# Altium PCB Van Battery Controller V1.PcbDoc (part 1 of 3) (continued)
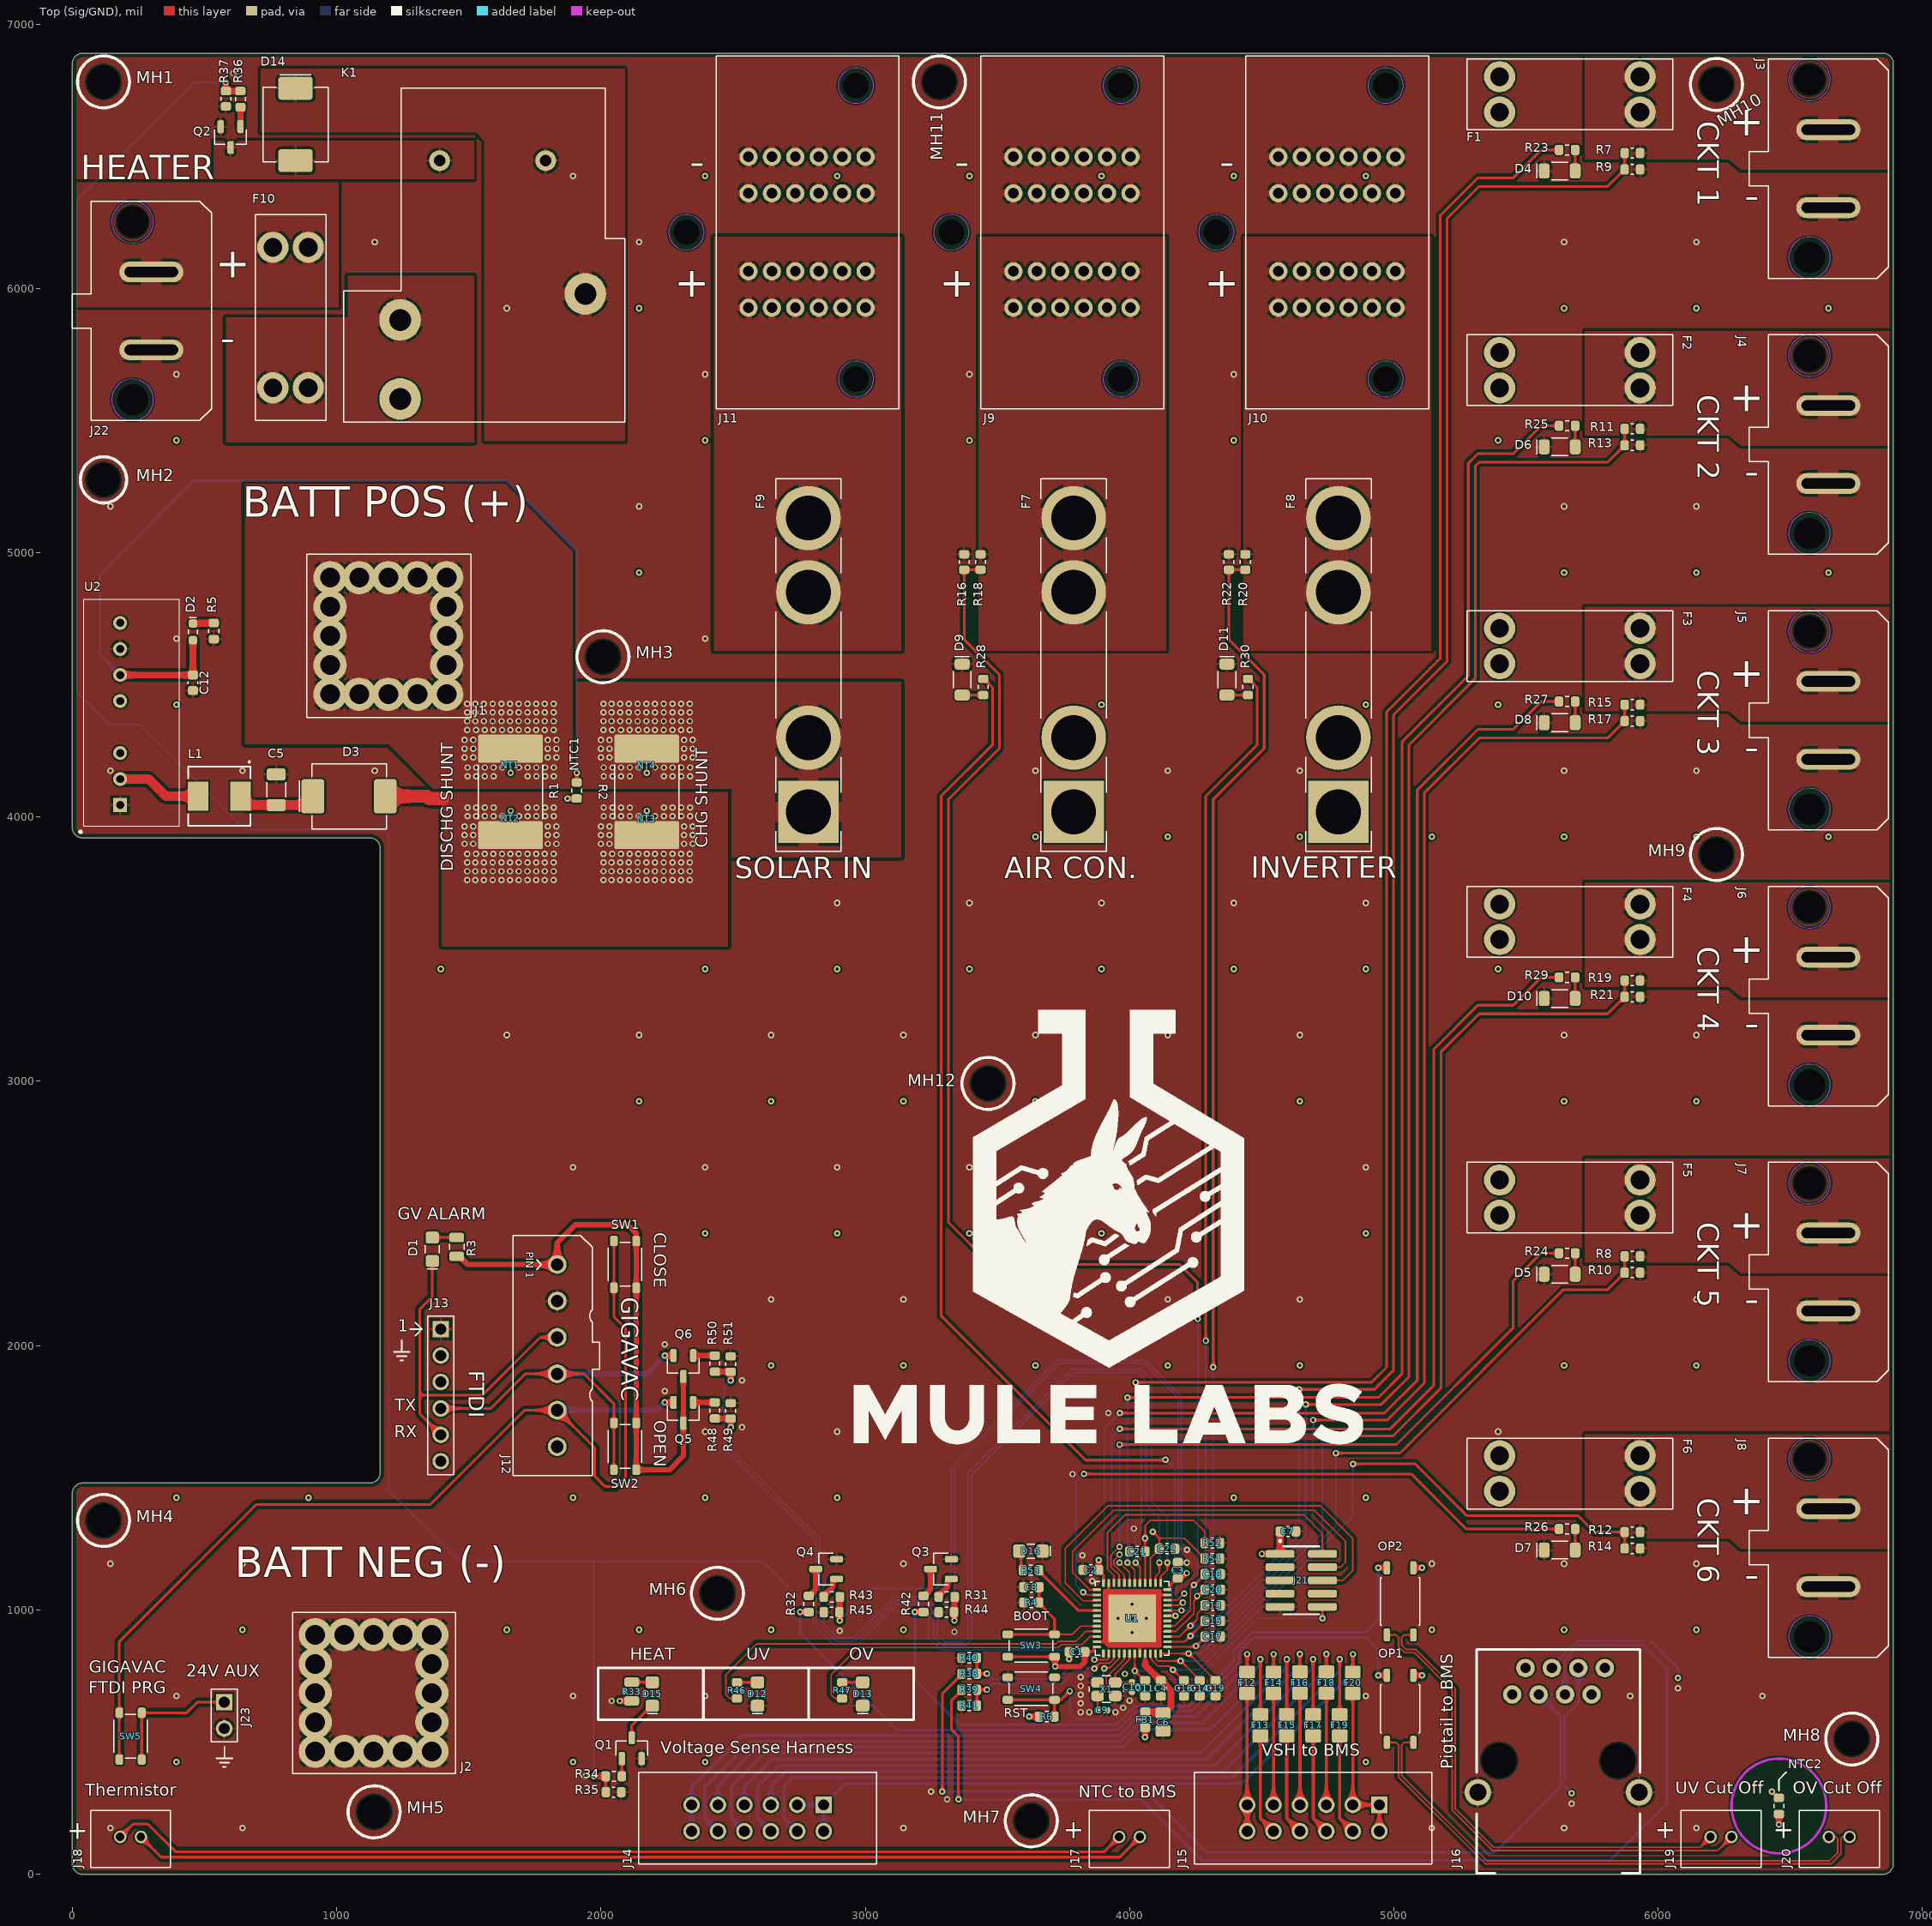
[diagram p0: Top (Sig/GND) view]
## Part data (continued)
J1 J2: Manufacturer="Wurth Electronics", Supplier Part Number 1=2101-S98630-ND, Category=Terminals, ComponentLink1Description=https://media.digikey.com/pdf/Data%20Sheets/Wurth%20Electronics%20PDFs/S98630_Drawing.pdf?src-supplier=Digi-Key, ComponentLink1URL=https://media.digikey.com/pdf/Data%20Sheets/Wurth%20Electronics%20PDFs/S98630_Drawing.pdf?src-supplier=Digi-Key, Manufacturer Part Number=S98630, Pricing 1="1=4.00000, 10=3.50000, 50=3.00000, 100=2.50000, 500=2.05000 (USD)", RoHS=No, Stock 1=141, Supplier 1=Digi-Key
J3 J4 J5 J6 J7 J8 J22: "Conn Power HDR 2 POS 7.49mm Solder ST Thru-Hole 2 Terminal 1 Port Super Sabre™ Frame", Color=Black, Current Rating=30A, Manufacturer=Molex, Max Operating Temperature=125°C, Min Operating Temperature=-40°C, Supplier Part Number 1=WM16204-ND, Voltage Rating=600V, Category="Headers and Wire Housings", ComponentLink1Description=https://www.mouser.com/ds/2/276/1720420201_PCB_HEADERS-704088.pdf?src-supplier=Mouser, ComponentLink1URL=https://www.mouser.com/ds/2/276/1720420201_PCB_HEADERS-704088.pdf?src-supplier=Mouser, ComponentLink2Description=http://www.molex.com/pdm_docs/sd/1720420201_sd.pdf?src-supplier=Digi-Key, ComponentLink2URL=http://www.molex.com/pdm_docs/sd/1720420201_sd.pdf?src-supplier=Digi-Key, Contact Material=Copper, Contact Plating=Silver, Fastening Type=Ramp, Insulation Material=Polymer, Manufacturer Part Number=172042-0201, Mount="Through Hole", Number of Circuits=2, Number of Pins=2, Number of Positions=2, Number of Rows=1, Orientation=Vertical, Packaging=Tray, Pitch=0.295inch, Pricing 1="1=1.81000, 10=1.54100, 80=1.27263, 1050=1.00470, 5250=0.89083, 10500=0.87073 (USD)", RoHS=Yes, Stock 1=5706, Supplier 1=Digi-Key, Termination=Solder
J9 J10 J11: "11.00mm Pitch EXTreme Guardian Power Vertical Plug PCB Header, 2.30mm PCB Thickness, Gold (Au) Plating, 2 Circuits", Color=Black, Current Rating=80A, Manufacturer=Molex, Max Operating Temperature=105°C, Min Operating Temperature=-40°C, Supplier Part Number 1=WM14985-ND, Voltage Rating=600V, Category="Headers and Wire Housings", ComponentLink1Description=http://www.farnell.com/datasheets/2067232.pdf?src-supplier=Element14, ComponentLink1URL=http://www.farnell.com/datasheets/2067232.pdf?src-supplier=Element14, ComponentLink2Description=http://www.molex.com/pdm_docs/ps/PS-151053-0000.pdf?src-supplier=Digi-Key, ComponentLink2URL=http://www.molex.com/pdm_docs/ps/PS-151053-0000.pdf?src-supplier=Digi-Key, Connector Type=Plug, Contact Material="Copper Alloy", Contact Plating=Gold, Fastening Type=Ramp, Gender=Male, Insulation Material=Polymer, Manufacturer Part Number=151053-0002, Mount="Through Hole", Number of Pins=2, Number of Positions=2, Number of Rows=1, Packaging=Tray, Pitch=0.433inch, REACH SVHC=Unknown, RoHS=Yes, Supplier 1=Digi-Key, Termination=Solder
J12: "Mighty-SPOX Header, 3.50mm Pitch, Vertical, 6 Circuits, Brass (CuZn) Contact", Color=Natural, Contact Resistance=10mR, Manufacturer=Molex, Max Operating Temperature=105°C, Max Voltage Rating (AC)=250V, Min Operating Temperature=-40°C, Supplier Part Number 1=WM3416-ND, Category="Headers and Wire Housings", ComponentLink1Description=https://datasheet.ciiva.com/737/532580229-sd-737999.pdf?src-supplier=Digi-Key, ComponentLink1URL=https://datasheet.ciiva.com/737/532580229-sd-737999.pdf?src-supplier=Digi-Key, ComponentLink2Description=https://datasheet.ciiva.com/10086/0532580629-pcb-headers-10086507.pdf?src-supplier=Avnet, ComponentLink2URL=https://datasheet.ciiva.com/10086/0532580629-pcb-headers-10086507.pdf?src-supplier=Avnet, Connector Type="Male Pin", Contact Material=Brass, Contact Plating=Tin,Copper, Contact Type="Male Pin", Fastening Type=Latch, Housing Color=Natural, Housing Material=Polyester, Lead Free="Lead Free", Length=23.1mm, Manufacturer Part Number=0532580629, Mount="Through Hole", Number of Contacts=6, Number of Positions=6, Number of Rows=1, Orientation=Straight, Packaging=Tray, Pitch=3.5mm, Pricing 1="1=1.47000, 10=1.25600, 80=1.03738, 945=0.81901, 4900=0.72800 (USD)", Radiation Hardening=No, RoHS=Yes, Series=53258, Stock 1=6430, Supplier 1=Digi-Key, Termination=Solder
J13: "CONN HEADER 6 POS 2.54", Color=Black, Current Rating=3A, Manufacturer="Wurth Electronics", Max Operating Temperature=125°C, Min Operating Temperature=-40°C, Supplier Part Number 1=732-5319-ND, Voltage Rating=250V, Connector Type="Male Pin", Contact Gender=Male, Contact Material="Copper,Copper Alloy", Contact Mating Length=0.236inch, Contact Plating=Gold, Gender=Male, Housing Material=PBT, Lead Free="Lead Free", Manufacturer Part Number=61300611121, Mount="Through Hole", Number of Contacts=6, Number of Positions=6, Number of Rows=1, Packaging=Bulk, Pitch=0.1inch, Pricing 1="1=0.33, 10=0.279, 25=0.232, 50=0.194, 100=0.176, 1000=0.16 (USD)", REACH SVHC=Unknown, Stock 1=22694, Supplier 1=Digi-Key, Termination="Through Hole"
J14 J15: "CONN HEADER VERT 12POS 2.54MM", Color=Black, Manufacturer="Adam Tech", Supplier Part Number 1=2057-BHR-12-VUA-ND, Connector Type="Male Pin", Contact Material=Copper, Contact Plating=Gold, Gender=Male, Manufacturer Part Number=BHR-12-VUA, Mount="Through Hole", Number of Contacts=12, Number of Positions=12, Number of Rows=2, Packaging=Bulk, Pitch=0.1inch, REACH SVHC=Unknown, RoHS=Yes, Row Spacing=0.1inch, Supplier 1=Digi-Key, Termination=Solder
J16: "Conn RJ-45 F 8 POS RA Thru-Hole", Flammability Rating="UL94 V-0", Housing Color=Black, Manufacturer="TE Connectivity", Max Operating Temperature=85°C, Max Voltage Rating (AC)=150V, Min Operating Temperature=-40°C, Package Quantity=80, Supplier Part Number 1=A115395-ND, Category="Modular / Ethernet Connectors", ComponentLink1Description=https://datasheet.ciiva.com/18490/eng-cd-5406295-b1-18490859.pdf?src-supplier=Digi-Key, ComponentLink1URL=https://datasheet.ciiva.com/18490/eng-cd-5406295-b1-18490859.pdf?src-supplier=Digi-Key, Connector Type=Jack, Contact Material=Bronze, Contact Plating=Gold, Depth=21.34mm, Direction=Down, Element Configuration=Single, ELV=Compliant, Housing Material=Nylon, Keyed=No, Length=17.78mm, Manufacturer Part Number=5406295-1, Number of Contacts=8, Number of Ports=1, Number of Positions=8, Number of Positions Loaded=8, Number of Rows=1, Orientation="Right Angle", Packaging=Tray, PCB Mounting Orientation="Right Angle", PCB Thickness=1.57mm, Pitch=2.54mm, Pricing 1="1=3.11000, 10=2.98100, 25=2.73280, 50=2.60840, 100=2.48420, 250=2.17372, 500=2.11160, 1000=1.80107, 2500=1.67686 (USD)", Radiation Hardening=No, RoHS=Yes, RoHS Compliant=Yes, Shielding=Shielded, Stock 1=1850, Supplier 1=Digi-Key, Tail Length=3.56mm, Termination=Solder
J17 J18 J19 J20: "Conn Shrouded Header HDR 2 POS 2mm Solder ST Thru-Hole Bag", Color=Natural, Contact Resistance=20mR, Current Rating=2A, Flammability Rating="UL94 V-0", Insulation Resistance=1GR, Manufacturer=Molex, Max Operating Temperature=105°C, Max Voltage Rating (AC)=600V, Max Voltage Rating (DC)=125.125kV, Min Operating Temperature=-40°C, Package Quantity=1000, Supplier Part Number 1=WM18920-ND, Voltage Rating=125V, ComponentLink1Description=https://datasheet.ciiva.com/7436/1710398-7436100.pdf?src-supplier=Newark, ComponentLink1URL=https://datasheet.ciiva.com/7436/1710398-7436100.pdf?src-supplier=Newark, ComponentLink2Description=https://datasheet.ciiva.com/16658/0353620250-pcb-headers-16658021.pdf?src-supplier=Avnet+Europe, ComponentLink2URL=https://datasheet.ciiva.com/16658/0353620250-pcb-headers-16658021.pdf?src-supplier=Avnet+Europe, ComponentLink3Description=https://datasheet.ciiva.com/5155/0353620250-pcb-headers-163392-5155548.pdf?src-supplier=Mouser, ComponentLink3URL=https://datasheet.ciiva.com/5155/0353620250-pcb-headers-163392-5155548.pdf?src-supplier=Mouser, ComponentLink4Description=https://datasheet.ciiva.com/19461/1299024-19461900.pdf?src-supplier=Jameco, ComponentLink4URL=https://datasheet.ciiva.com/19461/1299024-19461900.pdf?src-supplier=Jameco, ComponentLink5Description=https://datasheet.ciiva.com/30136/325870353620250-pcb-headers-30136716.pdf?src-supplier=Onlinecomponents.com, ComponentLink5URL=https://datasheet.ciiva.com/30136/325870353620250-pcb-headers-30136716.pdf?src-supplier=Onlinecomponents.com, ComponentLink6Description=https://datasheet.ciiva.com/7920/1905931-7920887.pdf?src-supplier=Element14, ComponentLink6URL=https://datasheet.ciiva.com/7920/1905931-7920887.pdf?src-supplier=Element14, Contact Material=Brass, Contact Plating=Tin,Gold, Depth=2.3mm, Gender=Male, Glow Wire Compliant=Non-compliant, Halogen Free="Low Halogen", Height=2.3mm, Housing Color=Natural, Housing Material=Nylon, Lead Free="Lead Free", Lead Pitch=2mm, Length=16.8mm, Manufacturer Part Number=35362-0250, Max Current Rating=2A, Mount="Through Hole,Cable", Number of Circuits=2, Number of Contacts=2, Number of Positions=2, Number of Rows=1, Orientation=Vertical, Packaging=Bulk, Pitch=2mm, Pricing 1="1=0.27000, 10=0.25400, 100=0.17630, 500=0.14916, 1000=0.12204, 5000=0.10848, 10000=0.09831 (USD)", Radiation Hardening=No, REACH SVHC=Unknown, RoHS=Yes, Stock 1=15060, Supplier 1=Digi-Key, Termination=Solder, Voltage Rating (AC)=125V, Voltage Rating (DC)=125V, Width=8.3mm
J21: "1.27 mm, 2 Rows, 10 Contacts, Surface Mount", Color=Black, Manufacturer=Samtec, Max Current Rating=1.75A, Max Operating Temperature=125°C, Min Operating Temperature=-55°C, Package Quantity=1, Supplier Part Number 1=SAM8796-ND, Category="Headers and Wire Housings", ComponentLink1Description=https://datasheet.ciiva.com/19461/2046846-19461026.pdf?src-supplier=Jameco, ComponentLink1URL=https://datasheet.ciiva.com/19461/2046846-19461026.pdf?src-supplier=Jameco, ComponentLink2Description=https://datasheet.ciiva.com/738/ftsh-1xx-xx-xxx-dv-xxx-mkt-738998.pdf?src-supplier=Digi-Key, ComponentLink2URL=https://datasheet.ciiva.com/738/ftsh-1xx-xx-xxx-dv-xxx-mkt-738998.pdf?src-supplier=Digi-Key, ComponentLink3Description=https://datasheet.ciiva.com/10245/ftsh-mt-10245273.pdf?src-supplier=Avnet, ComponentLink3URL=https://datasheet.ciiva.com/10245/ftsh-mt-10245273.pdf?src-supplier=Avnet, ComponentLink4Description=https://datasheet.ciiva.com/16657/ftsh-mt-16657371.pdf?src-supplier=Avnet+Europe, ComponentLink4URL=https://datasheet.ciiva.com/16657/ftsh-mt-16657371.pdf?src-supplier=Avnet+Europe, ComponentLink5Description=https://datasheet.ciiva.com/15195/getdatasheetpartid-133463-15195260.pdf?src-supplier=Verical, ComponentLink5URL=https://datasheet.ciiva.com/15195/getdatasheetpartid-133463-15195260.pdf?src-supplier=Verical, Connector Type="Male Pin", Contact Material=Copper,Bronze, Contact Mating Length=0.12inch, Contact Plating=Gold, Contact Type="Male Pin", Depth=3.43mm, Height=3.3mm, Housing Color=Black, Housing Material=Polymer, Lead Free="Lead Free", Length=15.2mm, Manufacturer Part Number=FTSH-105-01-F-DV-K, Mount="Surface Mount", Number of Contacts=10, Number of Positions=10, Number of Rows=2, Orientation=Straight, Packaging=Rail/Tube, Pitch=1.27mm, Pricing 1="1=2.82000, 10=2.70400, 100=2.25340, 500=1.91538, 1000=1.63370, 5000=1.46470 (USD)", Radiation Hardening=No, RoHS=Yes, RoHS Compliant=Yes, Row Spacing=0.05inch, Series=FTSH, Stock 1=8408, Supplier 1=Digi-Key, Termination=Solder
J23: "CONN HEADER 2 POS 2.54", Colour=Black, Current Rating=3A, Manufacturer="Wurth Electronics", Max Operating Temperature=125°C, Min Operating Temperature=-40°C, Supplier Part Number 1=732-5315-ND, Voltage Rating=250V, ComponentLink1Description=http://www.mouser.com/ds/2/445/6130xx11121-538006.pdf, ComponentLink1URL=http://www.mouser.com/ds/2/445/6130xx11121-538006.pdf, Connector Type="Male Pin", Contact Gender=Male, Contact Material="Copper,Copper Alloy", Contact Mating Length=0.236inch, Contact Plating=Gold, Gender=Male, Housing Material=PBT, Lead Free="Lead Free", Manufacturer Part Number=61300211121, Mount="Through Hole", Number of Contacts=2, Number of Positions=2, Number of Rows=1, Packaging=Bulk, Pitch=0.1inch, Pricing 1="1=0.13, 10=0.106, 25=0.088, 50=0.074, 100=0.067, 1000=0.061 (USD)", REACH SVHC=Unknown, Stock 1=260997, Supplier 1=Digi-Key, Termination="Through Hole"
K1: Manufacturer="CIT Relay & Switch", Supplier Part Number 1=2449-J115F11A24VDCS6.9-ND, Manufacturer Part Number=J115F11A24VDCS6.9, Pricing 1="1=2.82000, 15=2.64600, 30=2.35200, 45=2.23444, 90=2.11678, 240=1.88158, 450=1.76400, 945=1.64640 (USD)", RoHS=No, Stock 1=7830, Supplier 1=Digi-Key
L1: library part IHLP2020BZER100M01, "FIXED IND 10UH 2.3A 199 MOHM SMD", Case/Package=2020, Current Rating=2.3A, DC Resistance (DCR)=199mR, Inductance Tolerance=20%, Manufacturer="Vishay Dale", Max Operating Temperature=125°C, Min Operating Temperature=-55°C, Package Quantity=2000, Saturation Current=4A, Self Resonant Frequency=20MHz, Supplier Part Number 1=541-1093-1-ND, Test Frequency=100kHz, Category="Ferrite Beads and Chips", ComponentLink1Description=https://datasheet.ciiva.com/16389/lp20bz01-16389281.pdf?src-supplier=Future+Electronics, ComponentLink1URL=https://datasheet.ciiva.com/16389/lp20bz01-16389281.pdf?src-supplier=Future+Electronics, ComponentLink2Description=https://datasheet.ciiva.com/3081/lp20bz01-3081940.pdf?src-supplier=Avnet, ComponentLink2URL=https://datasheet.ciiva.com/3081/lp20bz01-3081940.pdf?src-supplier=Avnet, ComponentLink3Description=https://datasheet.ciiva.com/5706/482851-5706582.pdf?src-supplier=Farnell, ComponentLink3URL=https://datasheet.ciiva.com/5706/482851-5706582.pdf?src-supplier=Farnell, ComponentLink4Description=https://datasheet.ciiva.com/8017/482851-8017225.pdf?src-supplier=Element14, ComponentLink4URL=https://datasheet.ciiva.com/8017/482851-8017225.pdf?src-supplier=Element14, ComponentLink5Description=https://datasheet.ciiva.com/17269/lp20bz01-17269485.pdf?src-supplier=Avnet+Europe, ComponentLink5URL=https://datasheet.ciiva.com/17269/lp20bz01-17269485.pdf?src-supplier=Avnet+Europe, ComponentLink6Description=https://datasheet.ciiva.com/3081/lp20bz01-3081941.pdf?src-supplier=Avnet, ComponentLink6URL=https://datasheet.ciiva.com/3081/lp20bz01-3081941.pdf?src-supplier=Avnet, ComponentLink7Description=https://datasheet.ciiva.com/5706/482851-5706581.pdf?src-supplier=Farnell, ComponentLink7URL=https://datasheet.ciiva.com/5706/482851-5706581.pdf?src-supplier=Farnell, Core Material=Ferrite,Metal,Composite, Depth=5.43mm, Height=2mm, Height - Seated (Max)=0.079inch, Inductance=10uH, Lead Free="Lead Free", Length=5.49mm, Manufacturer Part Number=IHLP2020BZER100M01, Max DC Current=2.3A, Military Standard=Not, Mount="Surface Mount", Number of Pins=2020, Packaging="Tape and Reel", Pricing="1=1.17000, 10=1.08900, 25=1.00560, 50=0.83800, 100=0.78760, 250=0.70384, 500=0.60328, 1000=0.53626 (USD)", Radiation Hardening=No, REACH SVHC=Unknown, RMS Current (Irms)=2.3A, RoHS=Yes, Shielding=Shielded, Stock=59711, Supplier 1=Digi-Key, Termination=SMD/SMT, Tolerance=20%, Width=0.204inch
NT1 NT2 NT3 NT4 NT5 NT6: library part 2way, ComponentLink1Description=Source, ComponentLink1URL=http://www.edatools.cz/addons, FootprintNote="LP=12mil, MP=40mil, HP=120mil"
NTC1 NTC2: library part NCP18XV103E03RB, "Thermistor NTC 10K Ohm 3% 2-Pin 0603 Surface Mount Solder Pad 3934K T/R", Case Code (Imperial)=0603, Case Code (Metric)=1608, Manufacturer=Murata, Max Operating Temperature=125°C, Max Power Dissipation=100mW, Min Operating Temperature=-40°C, Package Quantity=1, Supplier Part Number 1=490-12102-1-ND, Tolerance=3%, Case/Package=0603, Category=Thermistors, ComponentLink1Description=http://www.mouser.com/ds/2/281/r44e-3685.pdf?src-supplier=Mouser, ComponentLink1URL=http://www.mouser.com/ds/2/281/r44e-3685.pdf?src-supplier=Mouser, ComponentLink2Description=http://www.murata.com/~/media/webrenewal/support/library/catalog/products/thermistor/ntc/r44e.ashx?src-supplier=Avnet, ComponentLink2URL=http://www.murata.com/~/media/webrenewal/support/library/catalog/products/thermistor/ntc/r44e.ashx?src-supplier=Avnet, ComponentLink3Description=http://www.murata.com/~/media/webrenewal/support/library/catalog/products/thermistor/ntc/r44e.ashx?src-supplier=Digi-Key, ComponentLink3URL=http://www.murata.com/~/media/webrenewal/support/library/catalog/products/thermistor/ntc/r44e.ashx?src-supplier=Digi-Key, ComponentLink4Description=http://www.murata.com/products/catalog/pdf/r44e.pdf?src-supplier=Digi-Key, ComponentLink4URL=http://www.murata.com/products/catalog/pdf/r44e.pdf?src-supplier=Digi-Key, Depth=0.8mm, Height=0.8mm, Length=1.6mm, Manufacturer Part Number=NCP18XV103E03RB, Mount="Surface Mount", Number of Pins=2, Packaging="Tape and Reel", Power Rating=100mW, Pricing 1="1=0.25000, 5=0.22800, 10=0.20300, 25=0.18160, 50=0.15960, 100=0.13610, 500=0.11258, 1000=0.09425 (USD)", Radiation Hardening=No, Resistance=10kR, RoHS=Yes, RoHS Compliant=Yes, Stock 1=39439, Supplier 1=Digi-Key, Termination=SMD/SMT, Width=0.8mm
OP1 OP2: "Optocoupler, Transistor, 3.75Kv, Sop Rohs Compliant: Yes", Manufacturer="Wurth Electronics", Supplier Part Number 1=732-141355145000CT-ND, Manufacturer Part Number=141355145000, Pricing 1="1=0.71000, 100=0.61200, 250=0.55500, 500=0.49800, 1000=0.41200 (USD)", RoHS=No, Stock 1=2951, Supplier 1=Digi-Key
Q1 Q2 Q3 Q4 Q5 Q6: "Si2356DS Series 40 V 3.2 A 51 mOhm Surface Mount N-Channel Mosfet - SOT-23-3", Case/Package=TO-236-3, Continuous Drain Current (ID)=4.3A, Drain to Source Breakdown Voltage=40V, Drain to Source Resistance=56mR, Gate to Source Voltage (Vgs)=12V, Input Capacitance=370pF, Manufacturer="Vishay Siliconix", Max Operating Temperature=150°C, Max Power Dissipation=1.7W, Min Operating Temperature=-55°C, Package Quantity=3000, Supplier Part Number 1=SI2356DS-T1-GE3CT-ND, Threshold Voltage=1.5V, Category=MOSFETs, ComponentLink1Description=https://datasheet.ciiva.com/29755/si2356ds-29755664.pdf?src-supplier=Digi-Key, ComponentLink1URL=https://datasheet.ciiva.com/29755/si2356ds-29755664.pdf?src-supplier=Digi-Key, ComponentLink2Description=https://datasheet.ciiva.com/24111/si2356ds-268760-24111179.pdf?src-supplier=Mouser, ComponentLink2URL=https://datasheet.ciiva.com/24111/si2356ds-268760-24111179.pdf?src-supplier=Mouser, ComponentLink3Description=https://datasheet.ciiva.com/29755/si2356ds-29755653.pdf?src-supplier=Digi-Key, ComponentLink3URL=https://datasheet.ciiva.com/29755/si2356ds-29755653.pdf?src-supplier=Digi-Key, ComponentLink4Description=https://datasheet.ciiva.com/29755/si2356ds-29755658.pdf?src-supplier=Digi-Key, ComponentLink4URL=https://datasheet.ciiva.com/29755/si2356ds-29755658.pdf?src-supplier=Digi-Key, Drain to Source Voltage (Vdss)=40V, Element Configuration=Single, Fall Time=53ns, Lead Free="Lead Free", Manufacturer Part Number=SI2356DS-T1-GE3, Mount="Surface Mount", Number of Channels=1, Number of Pins=3, Packaging="Tape and Reel", Pricing 1="1=0.42000, 10=0.34200, 100=0.23300, 500=0.17476, 1000=0.13108 (USD)", Rds On Max=51mR, REACH SVHC="No SVHC", Rise Time=52ns, RoHS=Yes, RoHS Compliant=Yes, Stock 1=50, Supplier 1=Digi-Key, Turn-Off Delay Time=18ns, Turn-On Delay Time=10ns, Weight=0.050717oz
R1 R2: library part Y14840R00030F9R, "CSM3920A 0R0030 1.0% S T 130800 Chip Resistor Strip 3920 (1052 Metric)", Manufacturer="Vishay Precision Group", Package=3920, Supplier Part Number 1=804-Y14840R00030F9RCT-ND, Category="Chip SMD Resistors", Manufacturer Part Number=Y14840R00030F9R, Pricing 1="1=1.970000, 10=1.750000, 25=1.622400, 50=1.527200, 100=1.336200, 250=1.145360, 500=0.954440, 1000=0.827190 (USD)", Resistance=300uR, RoHS=No, Stock 1=5999, Supplier 1=Digi-Key
R3: library part RMCF0805FT4K02, "RES 4.02K OHM 1% 1/8W 0805", Case Code (Imperial)=0805, Case Code (Metric)=2012, Manufacturer="Stackpole Electronics", Max Operating Temperature=155°C, Max Power Dissipation=125mW, Min Operating Temperature=-55°C, Resistor Type="Thick Film", Supplier Part Number 1=RMCF0805FT4K02DKR-ND, Temperature Coefficient=100ppm/°C, Tolerance=1%, Case/Package=0805, Category="Chip SMD Resistors", ComponentLink1Description=http://components.arrow.com/part/dataview/44988052S7077149N1174?src-supplier=Arrow+Electronics, ComponentLink1URL=http://components.arrow.com/part/dataview/44988052S7077149N1174?src-supplier=Arrow+Electronics, ComponentLink2Description=https://www.seielect.com/catalog/SEI-RMCF_RMCP.pdf?src-supplier=Avnet, ComponentLink2URL=https://www.seielect.com/catalog/SEI-RMCF_RMCP.pdf?src-supplier=Avnet, ComponentLink3Description=https://www.seielect.com/catalog/SEI-Packaging.pdf?src-supplier=Digi-Key, ComponentLink3URL=https://www.seielect.com/catalog/SEI-Packaging.pdf?src-supplier=Digi-Key, ComponentLink4Description=https://www.seielect.com/Catalog/SEI-RMCF_RMCP.pdf?src-supplier=Digi-Key, ComponentLink4URL=https://www.seielect.com/Catalog/SEI-RMCF_RMCP.pdf?src-supplier=Digi-Key, Contact Plating=Tin,Matte, Features="Automotive AEC-Q200", Height=0.026inch, Length=0.079inch, Manufacturer Part Number=RMCF0805FT4K02, Mount="Surface Mount", Number of Terminations=2, Packaging="Tape and Reel", Pricing 1="1=0.10000, 10=0.02500, 100=0.01000, 1000=0.00449, 2500=0.00390 (USD)", Radiation Hardening=No, Resistance=4.02kR, RoHS=Yes, RoHS Compliant=Yes, Series=RMCF, Stock 1=219640, Supplier 1=Digi-Key, Width=0.049inch